# Altium PCB OSP_Carrier_V8.PcbDoc (part 2 of 3)
Units mm, origin at the board's own origin, x right, y up, seen from the top; angles counter-clockwise.
Board outline 64.1 x 51.1 mm, 4 copper layers (Component Side, Signal Layer 1, Signal Layer 2, Solder Side), stack 1.58 mm thick; 182 components, 144 nets, 1232 pads, 422 vias.
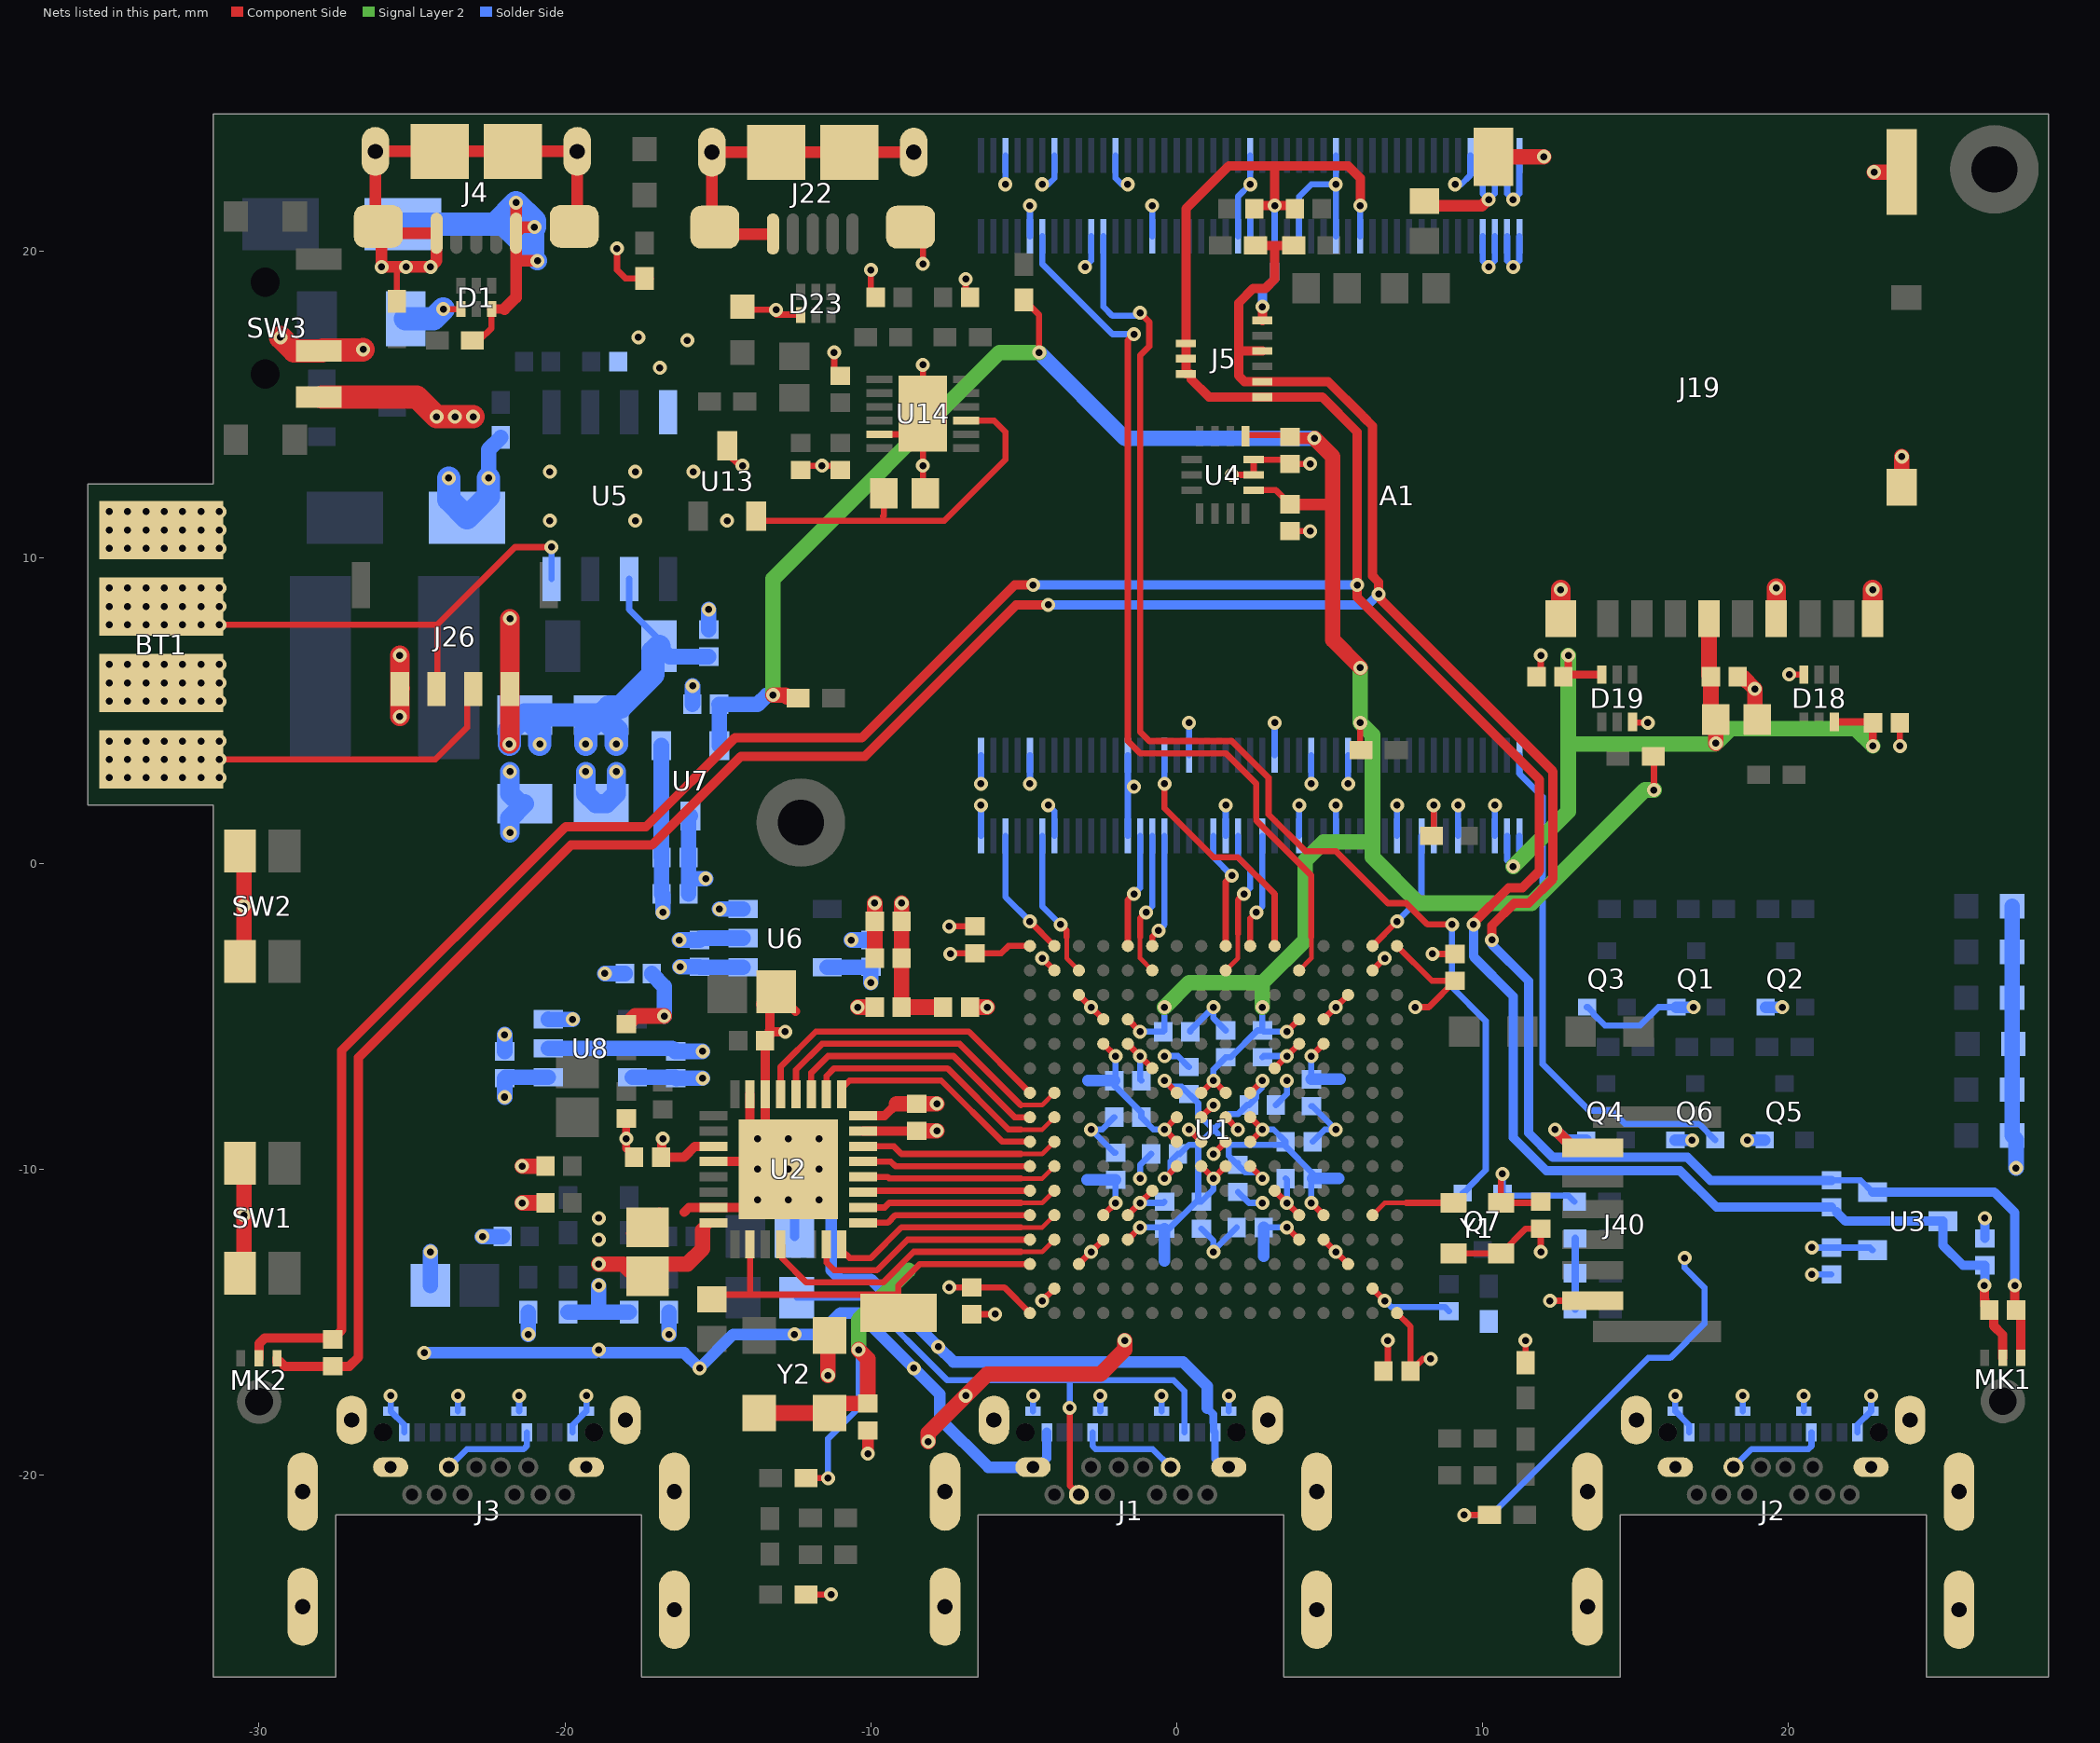
[diagram p4: the nets of this part, all layers, seen from the top]

## Part data (continued)
J19: "CONN MICRO SD CARD PUSH-PUSH R/A", Manufacturer="Hirose Electric Co Ltd", Supplier Part Number 1=HR1964TR-ND, ComponentLink1Description=Datasheet, ComponentLink1URL=http://www.hirose.co.jp/cataloge_hp/e60900232.pdf, ComponentLink2Description="Digi-Key Listing", ComponentLink2URL=http://www.digikey.ca/product-detail/en/DM3AT-SF-PEJM5/HR1964TR-ND/2533565, Connector Type="Connector and Ejector", Contact Finish=Gold, Features=Switch, Mounting Type="Surface Mount, Right Angle", Number Of Positions="10 (8 + 2)", PartId=9287, Part Number=DM3AT-SF-PEJM5, Price=2.1114, Supplier 1=Digi-Key, Type="Connector and Ejector"
J26: library part AMPHENOL_10125839-04RAEHLF_DNP, "Amphenol 10125839-04RAEHLF (Do Not Populate)", DNP=DNP
J40: library part AMPHENOL_HFW6R-1STE1LF, "Amphenol HFW6R-1STE1LF 6-pin flat flexible cable connector"
L1: library part Laird_TYS60286R8M-10, "Laird TYS60286R8M-10 6.8uH 2.4A 47mOhms"
LD1 LD5: library part LTST-C191KRKT, "LED RED CLEAR 0603 SMD", Current (Test)=20mA, Device Package="0603 (1608 Metric)", Manufacturer="Lite-On Inc.", Supplier Part Number 1=160-1447-2-ND, Voltage Forward=2V, Colour=Red, ComponentLink1Description=Datasheet, ComponentLink1URL=http://optoelectronics.liteon.com/upload/download/DS22-2000-223/S_110_LTST-C191KRKT.pdf, ComponentLink2Description="Digi-Key Listing", ComponentLink2URL=http://www.digikey.ca/product-detail/en/LTST-C191KRKT/160-1447-2-ND/386837, Lens Transparency=Clear, Millicandela=54mcd, PartId=7050, Part Number=LTST-C191KRKT, Price=0.0521, Supplier 1=Digi-Key, Viewing Angle=130
LD6 LD7 LD11: library part LTST-C191KGKT, "LED GREEN CLEAR 0603 SMD", Current (Test)=20mA, Device Package="0603 (1608 Metric)", Manufacturer="Lite-On Inc.", Supplier Part Number 1=160-1446-2-ND, Voltage Forward=2V, Colour=Green, ComponentLink1Description=Datasheet, ComponentLink1URL=http://optoelectronics.liteon.com/upload/download/DS22-2000-228/S_110_LTST-C191KGKT.pdf, ComponentLink2Description="Digi-Key Listing", ComponentLink2URL=http://www.digikey.ca/product-detail/en/LTST-C191KGKT/160-1446-2-ND/386835, Lens Transparency=Clear, Millicandela=35mcd, PartId=7051, Part Number=LTST-C191KGKT, Price=0.0521, Supplier 1=Digi-Key, Type="Surface Mount", Viewing Angle=130
LD8 LD9: library part LTST-C191KSKT, "LED YELLOW CLEAR 0603 SMD", Current (Test)=20mA, Device Package="0603 (1608 Metric)", Manufacturer="Lite-On Inc.", Supplier Part Number 1=160-1448-2-ND, Voltage Forward=2.1V, Colour=Yellow, ComponentLink1Description=Datasheet, ComponentLink1URL=http://optoelectronics.liteon.com/upload/download/DS22-2000-224/S_110_LTST-C191KSKT.pdf, ComponentLink2Description="Digi-Key Listing", ComponentLink2URL=http://www.digikey.ca/product-detail/en/LTST-C191KSKT/160-1448-2-ND/386839, Lens Transparency=Clear, Millicandela=104mcd, PartId=7053, Part Number=LTST-C191KSKT, Price=0.0555, Supplier 1=Digi-Key, Type="Surface Mount", Viewing Angle=130
LD10: library part LTST-C193TBKT-5A, "LED BLUE CLEAR 0603 SMD", Current (Test)=5mA, Device Package="0603 (1608 Metric)", Manufacturer="Lite-On Inc.", Supplier Part Number 1=160-1827-2-ND, Voltage Forward=2.8V, Colour=Blue, ComponentLink1Description=Datasheet, ComponentLink1URL=http://optoelectronics.liteon.com/upload/download/DS22-2004-060/P_100_LTST-C193TBKT-5A.pdf, ComponentLink2Description="Digi-Key Listing", ComponentLink2URL=http://www.digikey.ca/product-detail/en/LTST-C193TBKT-5A/160-1827-2-ND/2053656, Lens Transparency=Clear, Millicandela=15mcd, PartId=7054, Part Number=LTST-C193TBKT-5A, Price=0.0875, Supplier 1=Digi-Key, Type="Surface Mount", Viewing Angle=130
MK1 MK2: library part DBU_MIC_MEMS_MM023802-1, "DB Unlimited MM023802-1 Knowles-Style Bottom Port MEMS Microphone"
Q1 Q2 Q3 Q4 Q5 Q6 Q7: "MOSFET N-CH 30V 180MA SOT323", Part Number=NX3020NAKW,115
Q8: library part NXP_PMV30XPEAR, "PMV30XPEAR PMOS 20V -5.3A 28mOhms"
R1 R12 R17 R18 R29: library part ERJ-2RKF2001X, "RES SMD 2K OHM 1% 1/10W 0402", Device Package="0402 (1005 Metric)", Manufacturer="Panasonic Electronic Components", PowerRating="0.1W, 1/10W", Supplier Part Number 1=P2.00KLTR-ND, TemperatureCoefficient=100ppm/C, TemperatureRange="-55C ~ 155C", Tolerance=1%, ComponentLink1Description=Datasheet, ComponentLink1URL=http://industrial.panasonic.com/www-cgi/jvcr13pz.cgi?E+PZ+3+AOA0002+ERJ2RKF2001X+7+WW, ComponentLink2Description="Digikey listing", ComponentLink2URL=http://digikey.com/product-detail/en/ERJ-2RKF2001X/P2.00KLTR-ND/192194, PartId=16, Part Number=ERJ-2RKF2001X, Price=0.0043, Supplier 1=Digi-Key, Type="Thick Film"
R3: library part ERJ-2RKF4701X, "RES SMD 4.7K OHM 1% 1/10W 0402", Device Package="0402 (1005 Metric)", Manufacturer="Panasonic Electronic Components", PowerRating="0.1W, 1/10W", Supplier Part Number 1=P4.70KLTR-ND, TemperatureCoefficient=100ppm/C, TemperatureRange="-55C ~ 155C", Tolerance=1%, ComponentLink1Description=Datasheet, ComponentLink1URL=http://industrial.panasonic.com/www-cgi/jvcr13pz.cgi?E+PZ+3+AOA0002+ERJ2RKF4701X+7+WW, ComponentLink2Description="Digikey listing", ComponentLink2URL=http://digikey.com/product-detail/en/ERJ-2RKF4701X/P4.70KLTR-ND/1746231, PartId=5, Part Number=ERJ-2RKF4701X, Price=0.0043, Supplier 1=Digi-Key, Type="Thick Film"
R4 R7 R10 R11 R28 R31 R34 R40 R41 R44: library part ERJ-2RKF1002X, "RES SMD 10K OHM 1% 1/10W 0402", Device Package="0402 (1005 Metric)", Manufacturer="Panasonic Electronic Components", PowerRating="0.1W, 1/10W", Supplier Part Number 1=P10.0KLTR-ND, TemperatureCoefficient=100ppm/C, TemperatureRange="-55C ~ 155C", Tolerance=1%, ComponentLink1Description=Datasheet, ComponentLink1URL=http://industrial.panasonic.com/www-cgi/jvcr13pz.cgi?E+PZ+3+AOA0002+ERJ2RKF1002X+7+WW, ComponentLink2Description="Digikey listing", ComponentLink2URL=http://digikey.com/product-detail/en/ERJ-2RKF1002X/P10.0KLTR-ND/192073, PartId=1, Part Number=ERJ-2RKF1002X, Price=0.0043, Supplier 1=Digi-Key, Type="Thick Film"
  R28 R31 R34: DNP=DNP
R6 R15: library part CRCW06030000Z0EAHP, "RES SMD 0.0 OHM JUMPER 1/4W 0603", Device Package="0603 (1608 Metric)", Manufacturer="Vishay Dale", PowerRating="0.25W, 1/4W", Supplier Part Number 1=541-0.0SBTR-ND, TemperatureRange="-55C ~ 155C", Tolerance=Jumper, ComponentLink1Description=Datasheet, ComponentLink1URL=http://www.vishay.com/docs/20043/crcwhpe3.pdf, ComponentLink2Description="Digi-Key Listing", ComponentLink2URL=https://www.digikey.com/product-detail/en/vishay-dale/CRCW06030000Z0EAHP/541-0.0SBTR-ND/2222231, DNP=DNP, PartId=16113, Part Number=CRCW06030000Z0EAHP, Price=0.0238, Supplier 1=Digi-Key
R8: library part CSR1206FKR200, "RES SMD 0.2 OHM 1% 1/2W 1206", Device Package="1206 (3216 Metric)", Manufacturer="Stackpole Electronics Inc.", PowerRating="0.5W, 1/2W", Supplier Part Number 1=CSR1206FKR200TR-ND, TemperatureCoefficient=100ppm/C, TemperatureRange="-55C ~ 155C", Tolerance=1%, ComponentLink1Description=Datasheet, ComponentLink1URL=http://www.seielect.com/catalog/SEI-CSR_CSRN.pdf, ComponentLink2Description="Digi-Key Listing", ComponentLink2URL=https://www.digikey.com/product-detail/en/stackpole-electronics-inc/CSR1206FKR200/CSR1206FKR200TR-ND/1742391, PartId=9964, Part Number=CSR1206FKR200, Price=0.072, Supplier 1=Digi-Key
R9: library part ERJ-2RKF2201X, "RES SMD 2.2K OHM 1% 1/10W 0402", Device Package="0402 (1005 Metric)", Manufacturer="Panasonic Electronic Components", PowerRating="0.1W, 1/10W", Supplier Part Number 1=P2.20KLTR-ND, TemperatureCoefficient=100ppm/C, TemperatureRange="-55C ~ 155C", Tolerance=1%, ComponentLink1Description=Datasheet, ComponentLink1URL=http://industrial.panasonic.com/www-cgi/jvcr13pz.cgi?E+PZ+3+AOA0002+ERJ2RKF2201X+7+WW, ComponentLink2Description="Digikey listing", ComponentLink2URL=http://digikey.com/product-detail/en/ERJ-2RKF2201X/P2.20KLTR-ND/1746150, PartId=8, Part Number=ERJ-2RKF2201X, Price=0.0043, Supplier 1=Digi-Key, Type="Thick Film"
R13 R16 R19 R21: library part ERJ-2RKF1000X, "RES SMD 100 OHM 1% 1/10W 0402", Device Package="0402 (1005 Metric)", Manufacturer="Panasonic Electronic Components", PowerRating="0.1W, 1/10W", Supplier Part Number 1=P100LTR-ND, TemperatureCoefficient=100ppm/C, TemperatureRange="-55C ~ 155C", Tolerance=1%, ComponentLink1Description=Datasheet, ComponentLink1URL=http://industrial.panasonic.com/www-cgi/jvcr13pz.cgi?E+PZ+3+AOA0002+ERJ2RKF1000X+7+WW, ComponentLink2Description="Digikey listing", ComponentLink2URL=http://digikey.com/product-detail/en/ERJ-2RKF1000X/P100LTR-ND/192080, PartId=3, Part Number=ERJ-2RKF1000X, Price=0.0043, Supplier 1=Digi-Key, Type="Thick Film"
R14 R20: library part ERJ-2RKF1150X, "RES SMD 115 OHM 1% 1/10W 0402", Device Package="0402 (1005 Metric)", Manufacturer="Panasonic Electronic Components", PowerRating="0.1W, 1/10W", Supplier Part Number 1=P115LTR-ND, TemperatureCoefficient=100ppm/C, TemperatureRange="-55C ~ 155C", Tolerance=1%, ComponentLink1Description=Datasheet, ComponentLink1URL=http://industrial.panasonic.com/www-cgi/jvcr13pz.cgi?E+PZ+3+AOA0002+ERJ2RKF1150X+7+WW, ComponentLink2Description="Digikey listing", ComponentLink2URL=http://digikey.com/product-detail/en/ERJ-2RKF1150X/P115LTR-ND/192100, PartId=127, Part Number=ERJ-2RKF1150X, Price=0.0035, Supplier 1=Digi-Key, Type="Thick Film"
R22 R23 R24 R25 R26 R27: library part ERJ-2RKF2000X, "RES SMD 200 OHM 1% 1/10W 0402", Device Package="0402 (1005 Metric)", Manufacturer="Panasonic Electronic Components", PowerRating="0.1W, 1/10W", Supplier Part Number 1=P200LTR-ND, TemperatureCoefficient=100ppm/C, TemperatureRange="-55C ~ 155C", Tolerance=1%, ComponentLink1Description=Datasheet, ComponentLink1URL=http://industrial.panasonic.com/www-cgi/jvcr13pz.cgi?E+PZ+3+AOA0002+ERJ2RKF2000X+7+WW, ComponentLink2Description="Digikey listing", ComponentLink2URL=http://digikey.com/product-detail/en/ERJ-2RKF2000X/P200LTR-ND/192215, PartId=12, Part Number=ERJ-2RKF2000X, Price=0.0043, Supplier 1=Digi-Key, Type="Thick Film"
R30: library part ERJ-2RKF1003X, "RES SMD 100K OHM 1% 1/10W 0402", Device Package="0402 (1005 Metric)", Manufacturer="Panasonic Electronic Components", PowerRating="0.1W, 1/10W", Supplier Part Number 1=P100KLTR-ND, TemperatureCoefficient=100ppm/C, TemperatureRange="-55C ~ 155C", Tolerance=1%, ComponentLink1Description=Datasheet, ComponentLink1URL=http://industrial.panasonic.com/www-cgi/jvcr13pz.cgi?E+PZ+3+AOA0002+ERJ2RKF1003X+7+WW, ComponentLink2Description="Digikey listing", ComponentLink2URL=http://digikey.com/product-detail/en/ERJ-2RKF1003X/P100KLTR-ND/192081, PartId=2, Part Number=ERJ-2RKF1003X, Price=0.0043, Supplier 1=Digi-Key, Type="Thick Film"
R32: library part ERJ-2RKF1003X, "RES SMD 100K OHM 1% 1/10W 0402", Part Number=ERJ-2RKF1003X
R33 R37 R38 R42: library part ERJ-2RKF1001X, "RES SMD 1K OHM 1% 1/10W 0402", Device Package="0402 (1005 Metric)", Manufacturer="Panasonic Electronic Components", PowerRating="0.1W, 1/10W", Supplier Part Number 1=P1.00KLTR-ND, TemperatureCoefficient=100ppm/C, TemperatureRange="-55C ~ 155C", Tolerance=1%, ComponentLink1Description=Datasheet, ComponentLink1URL=http://industrial.panasonic.com/www-cgi/jvcr13pz.cgi?E+PZ+3+AOA0002+ERJ2RKF1001X+7+WW, ComponentLink2Description="Digikey listing", ComponentLink2URL=http://digikey.com/product-detail/en/ERJ-2RKF1001X/P1.00KLTR-ND/79729, PartId=4, Part Number=ERJ-2RKF1001X, Price=0.0043, Supplier 1=Digi-Key, Type="Thick Film"
R35: library part ERJ-2RKF4702X, "RES SMD 47K OHM 1% 1/10W 0402", Device Package="0402 (1005 Metric)", Manufacturer="Panasonic Electronic Components", PowerRating="0.1W, 1/10W", Supplier Part Number 1=P47.0KLTR-ND, TemperatureCoefficient=100ppm/C, TemperatureRange="-55C ~ 155C", Tolerance=1%, ComponentLink1Description=Datasheet, ComponentLink1URL=http://industrial.panasonic.com/www-cgi/jvcr13pz.cgi?E+PZ+3+AOA0002+ERJ2RKF4702X+7+WW, ComponentLink2Description="Digikey listing", ComponentLink2URL=http://digikey.com/product-detail/en/ERJ-2RKF4702X/P47.0KLTR-ND/1746233, PartId=22, Part Number=ERJ-2RKF4702X, Price=0.0043, Supplier 1=Digi-Key, Type="Thick Film"
R36 R39: library part ERJ-2RKF22R0X, "RES SMD 22 OHM 1% 1/10W 0402", Device Package="0402 (1005 Metric)", Manufacturer="Panasonic Electronic Components", PowerRating="0.1W, 1/10W", Supplier Part Number 1=P22.0LTR-ND, TemperatureCoefficient=100ppm/C, TemperatureRange="-55C ~ 155C", Tolerance=1%, ComponentLink1Description=Datasheet, ComponentLink1URL=http://industrial.panasonic.com/www-cgi/jvcr13pz.cgi?E+PZ+3+AOA0002+ERJ2RKF22R0X+7+WW, ComponentLink2Description="Digi-Key Listing", ComponentLink2URL=https://www.digikey.com/product-detail/en/panasonic-electronic-components/ERJ-2RKF22R0X/P22.0LTR-ND/1746157, PartId=12215, Part Number=ERJ-2RKF22R0X, Price=0.0028, Supplier 1=Digi-Key
R47: library part ERJ-2RKF1004X, "RES SMD 1M OHM 1% 1/10W 0402", Device Package="0402 (1005 Metric)", Manufacturer="Panasonic Electronic Components", PowerRating="0.1W, 1/10W", Supplier Part Number 1=P1.00MLTR-ND, TemperatureCoefficient=100ppm/C, TemperatureRange="-55C ~ 155C", Tolerance=1%, ComponentLink1Description=Datasheet, ComponentLink1URL=http://industrial.panasonic.com/www-cgi/jvcr13pz.cgi?E+PZ+3+AOA0002+ERJ2RKF1004X+7+WW, ComponentLink2Description="Digikey listing", ComponentLink2URL=http://digikey.com/product-detail/en/ERJ-2RKF1004X/P1.00MLTR-ND/79728, PartId=7, Part Number=ERJ-2RKF1004X, Price=0.0043, Supplier 1=Digi-Key, Type="Thick Film"
R49: library part ERJ-2RKF4700X, "RES SMD 470 OHM 1% 1/10W 0402", Device Package="0402 (1005 Metric)", Manufacturer="Panasonic Electronic Components", PowerRating="0.1W, 1/10W", Supplier Part Number 1=P470LTR-ND, TemperatureCoefficient=100ppm/C, TemperatureRange="-55C ~ 155C", Tolerance=1%, ComponentLink1Description=Datasheet, ComponentLink1URL=http://industrial.panasonic.com/www-cgi/jvcr13pz.cgi?E+PZ+3+AOA0002+ERJ2RKF4700X+7+WW, ComponentLink2Description="Digikey listing", ComponentLink2URL=http://digikey.com/product-detail/en/ERJ-2RKF4700X/P470LTR-ND/1746229, PartId=176, Part Number=ERJ-2RKF4700X, Price=0.0043, Supplier 1=Digi-Key, Type="Thick Film"
R54 R55: library part ERJ-2RKF33R0X, "RES SMD 33 OHM 1% 1/10W 0402", Device Package="0402 (1005 Metric)", Manufacturer="Panasonic Electronic Components", PowerRating="0.1W, 1/10W", Supplier Part Number 1=P33.0LTR-ND, TemperatureCoefficient=100ppm/C, TemperatureRange="-55C ~ 155C", Tolerance=1%, ComponentLink1Description=Datasheet, ComponentLink1URL=http://industrial.panasonic.com/www-cgi/jvcr13pz.cgi?E+PZ+3+AOA0002+ERJ2RKF33R0X+7+WW, ComponentLink2Description="Digikey listing", ComponentLink2URL=http://digikey.com/product-detail/en/ERJ-2RKF33R0X/P33.0LTR-ND/1746198, PartId=21, Part Number=ERJ-2RKF33R0X, Price=0.0043, Supplier 1=Digi-Key, Type="Thick Film"
R78: library part CRCW08050000Z0EAHP, "RES SMD 0.0 OHM JUMPER 1/2W 0805", Device Package="0805 (2012 Metric)", Manufacturer="Vishay Dale", PowerRating="0.5W, 1/2W", Supplier Part Number 1=541-0.0TBTR-ND, TemperatureRange="-55C ~ 155C", Tolerance=Jumper, ComponentLink1Description=Datasheet, ComponentLink1URL=http://www.vishay.com/docs/20043/crcwhpe3.pdf, ComponentLink2Description="Digi-Key Listing", ComponentLink2URL=https://www.digikey.com/product-detail/en/vishay-dale/CRCW08050000Z0EAHP/541-0.0TBTR-ND/2222316, PartId=16147, Part Number=CRCW08050000Z0EAHP, Price=0.0356, Supplier 1=Digi-Key
SW1 SW2: library part PANASONIC_EVQ-P7A01P, "Tact Switch SMT Right Angle"
TP1 TP2 TP3 TP4: "1mm Square SMD Test Point", DNP=DNP
TP5: "Julian Extra-Large SMD Test Point", DNP=DNP
U1: library part LCMXO3LF-6900C-XBG256X, "Lattice MachXO3LF-6900C-5BG256C FPGA"
U2: "Imported", Manufacturer_Part_Number=AD9235BCPZRL7-20, RefDes=Refdes, Type=Type, Vendor=Vendor
U3 U7 U13: "IC REG LDO 1.8V 0.15A SOT23-3", Current - Limit (Min)=200mA, Device Package="TO-236-3, SC-59, SOT-23-3", Manufacturer="Diodes Incorporated", Operating Temperature="-40C ~ 85C", Supplier Part Number 1=AP7313-18SAG-7DITR-ND, Voltage - Input="2 V ~ 6 V", Voltage - Output=1.8V, Voltage Dropout=-, ComponentLink1Description=Datasheet, ComponentLink1URL=http://www.diodes.com/_files/datasheets/AP7313.pdf, ComponentLink2Description="Digi-Key Listing", ComponentLink2URL=http://www.digikey.ca/product-detail/en/AP7313-18SAG-7/AP7313-18SAG-7DITR-ND/2270804, PartId=7912, Part Number=AP7313-18SAG-7, Price=0.1675, Supplier 1=Digi-Key, Topology="Positive Fixed"
U4: library part BOSCH_BMI160, "BMI160 2.5 x 3 mm Tiaxial Accelerometer / Gyroscope Inertial Measurement Unit"
U5: "Analog / Linear 1.5A Single Cell Li-Ion Battery Charger"
U6 U8: library part ROHM_BU33SD5WG, "ROHM BU33SD5WG-TR 3.3V 500mA LDO", CURRENT=500mA, Voltage=3.3V
U14: library part FTDI_FT234XD, "FTDI FT234XD USB to UART"
Y1: library part MC_DSC1033DI2-012.2880, "Microchip 12.288 MHz SMD MEMS Oscillator", DIGIKEY_PN=DSC1033DI2-012.2880-ND
Y2: library part ABRA_ASFLMB-1.544MHZ-LR-T, "Abracon ASFLMB-1.544MHZ-LR-T", DIGIKEY_PN=535-11006-1-ND, DNP=DNP

## Via types
v1: diameter 0.457, hole 0.229, Component Side to Solder Side, tented both sides, 422 vias

## Nets (pads, with @x,y where several pads share a name; then routed paths per layer and width w, separated by ;. In a path a pad name is that pad's centre, name@x,y a point inside that pad or via, vN(x,y) a via of type N, cw(c..) or ccw(c..) an arc to the next point about the centre after c; other vN are vias at no path point)
1V8_UART: C70.2 U13.3 U14.9 | length 12.1
  Component Side w0.203: U13.3@-13.75,11.35 -13.6,11.2 -7.6,11.2 -5.6,13.2 -5.6,14.1 -5.975,14.475 U14.9@-6.885,14.475 ; -9.6,11.35 -9.575,11.375 C70.2@-9.575,12.1
+1V8_IO: C12.2 C18.1 C21.1 C23.1 C39.1 C62.1 R28.2 R31.2 R44.2 R47.2 U1.K8 U1.K9 U1.N5 U1.N12 U4.5 U4.8 U7.3 | length 84
  Component Side w0.203: R28.2@-5,18.425 -4.5,17.925 v1(-4.5,16.7) ; U1.N12@-1.6,-5.1 v1(-1.2,-5.5) ; U1.K9@0.8,-7.5 v1(1.2,-7.1) U1.K8@1.6,-7.5 ; U4.8@2.25,13.963 2.288,14 3.64,14 C18.1@3.7,13.94 C18.1@3.74,13.9 ; U4.5@2.512,12.2 3.24,12.2 C39.1@3.7,11.74 ; v1(3.6,-5.5) U1.N5@4,-5.1 ; v1(6,4.6) 6,3.725 R31.2@6.025,3.7 ; R47.2@15.575,3.5 15.6,3.475 v1(15.6,2.4)
  Component Side w0.381: C39.1@3.7,11.74 5.06,11.74 5.1,11.7 ; C18.1@3.74,13.9 v1(4.5,13.9)
  Component Side w0.508: v1(-13.2,5.502) -12.792,5.502 -12.737,5.446 -12.421,5.446 R44.2@-12.375,5.4 ; v1(4.5,13.9) 5.1,13.3 5.1,11.7 5.1,7.3 v1(6,6.4)
  Signal Layer 2 w0.508: v1(-13.2,5.502) -13.2,9.3 -5.8,16.7 v1(-4.5,16.7) ; v1(-0.4,-4.7) 0.4,-3.9 2.8,-3.9 ; v1(2.8,-4.7) 2.8,-3.9 ; v1(6,6.4) v1(6,4.6) 6.4,4.2 6.4,0.7 ; v1(15.6,2.4) 15.3,2.4 11.6,-1.3 7.9,-1.3 6.4,0.2 6.4,0.7 ; 2.8,-3.9 4.2,-2.5 4.2,0.1 4.8,0.7 6.4,0.7
  Solder Side w0.203: v1(-1.2,-5.5) C21.1@-0.44,-5.5 -0.4,-5.46 v1(-0.4,-4.7) ; v1(1.2,-7.1) 1.2,-6.74 C12.2@1.6,-6.34 1.76,-6.34 2.64,-5.46 C23.1@2.8,-5.46 ; v1(2.8,-4.7) C23.1@2.8,-5.46 ; v1(3.6,-5.5) 2.84,-5.5 C23.1@2.8,-5.46
  Solder Side w0.508: U7.3@-14.95,3.85 -14.95,5.19 C62.1@-14.96,5.2 -13.7,5.2 -13.398,5.502 v1(-13.2,5.502) ; v1(-4.5,16.7) -1.7,13.9 v1(4.5,13.9)
+1V8_MIC: C44.1 C64.2 C65.2 J5.3 J5.7 MK1.3 MK2.3 R40.2 R41.2 U3.3 | length 113.3
  Component Side w0.305: MK2.3@-29.415,-16.185 -29.415,-16.29 -29.408,-16.298 -29.302,-16.298 -29.16,-16.44 C65.2@-27.6,-16.44 -27.05,-16.44 -26.748,-16.138 -26.748,-6.348 -19.8,0.6 -17.15,0.6 -14.25,3.5 -10.2,3.5 -5.25,8.45 v1(-4.2,8.45) ; R40.2@2.575,20.2 3.2,20.2 ; J5.3@2.8,16.75 2.025,16.75 ; R41.2@3.825,20.2 3.2,20.2 ; 6.075,14.625 4.95,15.75 J5.7@2.8,15.75 2.215,15.75 2.025,15.94 2.025,16.75 ; 6.1,14.6 6.4,14.3 6.4,9.4 6.6,9.2 v1(6.6,8.8) 6.6,8.759 6.676,8.683 6.676,8.624 12.3,3 12.3,-0.5 11.5,-1.3 11.035,-1.3 10.3,-2.035 v1(10.3,-2.5) ; v1(27.4,-13.8) 27.4,-14.56 C64.2@27.44,-14.6 ; C64.2@27.44,-14.702 27.44,-14.722 27.592,-14.874 MK1.3@27.592,-16.165 ; 2.025,16.75 2.025,18.325 2.5,18.8 2.9,18.8 3.2,19.1 3.2,20.2
  Solder Side w0.203: C44.1@21.4,-10.36 22.36,-10.36 U3.3@22.75,-10.75
  Solder Side w0.305: v1(-4.2,8.45) 6.25,8.45 v1(6.6,8.8) ; v1(10.3,-2.5) 10.3,-2.65 11.5,-3.85 11.5,-8.815 12.297,-9.612 16.695,-9.612 17.444,-10.36 C44.1@21.4,-10.36 ; U3.3@22.75,-10.75 26.729,-10.75 27.4,-11.421 v1(27.4,-13.8)
+3V3_A: C27.1 C41.2 C63.1 R33.2 R38.2 U2.27 U2.32 U8.5 | length 13
  Component Side w0.203: C41.2@-17.7,-13.1 C41.2@-17.3,-13.5 -16.9,-13.1 C41.2@-16.8,-13
  Component Side w0.305: v1(-16.8,-9) -16.829,-9.029 -16.829,-9.569 C63.1@-16.86,-9.6 -16.1,-9.6 -15.75,-9.25 U2.27@-15.151,-9.25 ; -15.5,-12 -15.25,-11.75 U2.32@-15.151,-11.75
  Component Side w0.508: v1(-18.9,-13.1) -18.1,-13.1 -17.9,-13.3 C41.2@-17.7,-13.1 ; C41.2@-16.9,-13.1 -16,-13.1 -15.5,-12.6 -15.5,-12
  Solder Side w0.508: R38.2@-19.9,-14.675 -18.9,-14.675 ; v1(-18.9,-13.8) -18.9,-14.675 ; R33.2@-17.9,-14.675 -18.9,-14.675 ; U8.5@-17.797,-6.995 -16.402,-6.995 C27.1@-16.372,-7.025 ; C27.1@-16.359,-7.037 C27.1@-16.372,-7.025 ; v1(-15.5,-7.025) C27.1@-16.372,-7.025
+3V3_D: C1.2 C2.1 C3.2 C42.1 C45.2 C55.1 FB1.1 R12.2 R18.2 U2.16 U6.5 Y2.1 Y2.4 | length 37.1
  Component Side w0.203: R18.2@-12.125,-20.1 v1(-11.4,-20.1) ; v1(9.4,-21.3) R12.2@10.225,-21.3
  Component Side w0.305: U2.16@-10.249,-8.25 -9.55,-8.25 -9.16,-7.86
  Component Side w0.508: Y2.4@-13.65,-17.97 Y2.1@-11.35,-17.97 -11.04,-17.66 C45.2@-10.1,-17.66 -10.1,-16.2 v1(-10.4,-15.9) ; -9.16,-7.86 C42.1@-8.5,-7.86 v1(-7.84,-7.86) ; v1(-8.994,-1.3) C1.2@-8.994,-1.9 C2.1@-8.994,-3.1 C3.2@-8.994,-4.7 FB1.1@-7.64,-4.7
  Signal Layer 2 w0.508: v1(-10.4,-15.9) -10.4,-14.929 -8.768,-13.298
  Solder Side w0.203: v1(-11.4,-20.1) -11.4,-18.81 -10.4,-17.81 v1(-10.4,-15.9) ; v1(9.4,-21.3) 10.28,-21.3 15.412,-16.168 16.132,-16.168 17.25,-15.05 17.25,-13.87 16.6,-13.22 v1(16.6,-12.9)
  Solder Side w0.508: U6.5@-11.425,-3.395 C55.1@-10.01,-3.395 ; v1(-10,-3.9) -10,-3.405 C55.1@-10.01,-3.395 ; C55.1@-10,-3.386 C55.1@-10.01,-3.395
+3V3_F: C4.2 C5.2 C6.2 C7.2 C8.2 C9.2 C10.2 C11.2 C13.2 C15.2 C16.2 C17.2 C19.2 C20.2 C22.1 C25.1 C26.1 C28.1 FB1.2 J40.1 R3.2 R4.2 R7.2 R10.2 U1.A1 U1.A16 U1.D5 U1.D12 U1.E4 U1.E13 U1.G7 U1.G8 U1.G9 U1.G10 U1.H7 U1.H10 U1.J7 U1.J10 U1.K7 U1.K10 U1.M4 U1.M13 U1.T1 U1.T16 Y1.1 Y1.4 | length 61.6
  Component Side w0.203: v1(-7.44,-13.86) C9.2@-6.7,-13.86 -5.64,-13.86 U1.A16@-4.8,-14.7 ; v1(-7.4,-2.96) -7.38,-2.94 C4.2@-6.6,-2.94 -5.74,-2.94 -5.5,-2.7 U1.T16@-4.8,-2.7 ; U1.E13@-2.4,-11.5 v1(-2,-11.1) ; U1.M13@-2.4,-5.9 v1(-2,-6.3) ; U1.D12@-1.6,-12.3 v1(-1.2,-11.9) ; v1(-0.4,-10.3) U1.G10@0,-9.9 ; v1(-0.4,-7.1) U1.K10@0,-7.5 ; U1.H10@0,-9.1 v1(-0.4,-8.7) U1.J10@0,-8.3 ; U1.G9@0.8,-9.9 v1(1.2,-10.3) U1.G8@1.6,-9.9 ; U1.G7@2.4,-9.9 v1(2.8,-10.3) ; U1.H7@2.4,-9.1 v1(2.8,-8.7) U1.J7@2.4,-8.3 ; U1.K7@2.4,-7.5 v1(2.8,-7.1) ; v1(3.6,-11.9) U1.D5@4,-12.3 ; v1(4.4,-11.1) U1.E4@4.8,-11.5 ; v1(4.4,-6.3) U1.M4@4.8,-5.9 ; U1.A1@7.2,-14.7 7.64,-15.14 C5.2@7.64,-16.6 8.04,-16.2 v1(8.3,-16.2) ; U1.T1@7.2,-2.7 8.34,-3.84 C8.2@9.1,-3.84 8.24,-4.7 v1(7.8,-4.7) ; Y1.4@9.05,-12.75 Y1.1@10.6,-12.75 11.41,-11.94 C17.2@11.9,-11.94 v1(11.9,-12.7) ; v1(12.2,-14.3) J40.1@13.6,-14.3
  Component Side w0.508: FB1.2@-6.76,-4.7 v1(-6.2,-4.7)
  Solder Side w0.203: v1(-2,-11.1) C28.1@-2,-10.34 ; v1(-2,-6.3) -2,-7.06 C26.1@-2.04,-7.1 -2.04,-7.26 -1.16,-8.14 C16.2@-1.16,-8.3 -0.76,-8.7 v1(-0.4,-8.7) ; v1(-1.2,-11.9) -0.44,-11.9 C22.1@-0.4,-11.94 -0.24,-11.94 0.64,-11.06 C13.2@0.8,-11.06 ; v1(-0.4,-10.3) -0.2,-10.1 -0.2,-9.74 C7.2@0.04,-9.5 0.1,-9.5 0.4,-9.2 0.7,-9.2 ; v1(-0.4,-7.1) -0.2,-7.3 0.16,-7.3 0.7,-7.84 0.7,-8.2 1.2,-8.7 ; v1(1.2,-10.3) 1.2,-10.66 C13.2@0.8,-11.06 ; C11.2@2,-9.8 C11.2@2,-9.86 ; v1(2.8,-10.3) 2.6,-10.1 2.24,-10.1 C11.2@2,-9.86 ; v1(2.8,-8.7) 3.16,-8.7 C20.2@3.56,-9.1 ; v1(2.8,-7.1) 2.8,-7.3 2.6,-7.5 2.6,-7.66 C6.2@2.36,-7.9 2.3,-7.9 2,-8.2 1.7,-8.2 1.2,-8.7 ; C25.1@2.84,-11.9 v1(3.6,-11.9) ; v1(4.4,-11.1) 4.4,-10.34 C15.2@4.44,-10.3 4.44,-10.14 C20.2@3.56,-9.26 ; C19.2@4.4,-7.06 v1(4.4,-6.3) ; 0.7,-9.2 1.2,-8.7 ; 0.7,-9.2 0.7,-10.96 C13.2@0.8,-11.06 ; 1.2,-8.7 1.7,-9.2 ; 1.7,-9.2 1.7,-9.56 C11.2@2,-9.86 ; 1.7,-9.2 3.46,-9.2 C20.2@3.56,-9.1 ; C20.2@3.56,-9.26 C20.2@3.56,-9.1 ; C20.2@3.56,-9.26 C20.2@3.56,-9.1
  Solder Side w0.254: R10.2@13.025,-14.575 R4.2@13.025,-13.4 R7.2@13.025,-12.26
  Solder Side w0.381: -2.94,-10.34 C28.1@-2,-10.34 ; -2.9,-7.1 C26.1@-2.04,-7.1 ; -0.4,-13 C22.1@-0.4,-11.94 ; 2.84,-12.84 C25.1@2.84,-11.9 ; C19.2@4.4,-7.06 5.34,-7.06 ; C15.2@4.44,-10.3 5.3,-10.3
+3V7: A1.1 A1.2 A1.3 A1.4 A1.5 A1.6 A1.7 A1.8 C24.1 C43.1 C54.1 C60.2 C61.2 J1.A9 J1.B9 J2.A4 J2.B4 J3.A4 J3.B4 LD5.1 LD6.1 LD7.1 LD8.1 LD9.1 LD10.1 R6.2 SW3.3 U3.1 U6.1 U6.3 U7.1 U8.1 U8.3 | length 49.6
  Component Side w0.381: R6.2@8.1,21.65 8.25,21.5 9.979,21.5 10.179,21.7 v1(10.2,21.7)